# Altium PCB RP2040_GSM.PcbDoc (part 3 of 4) (continued)
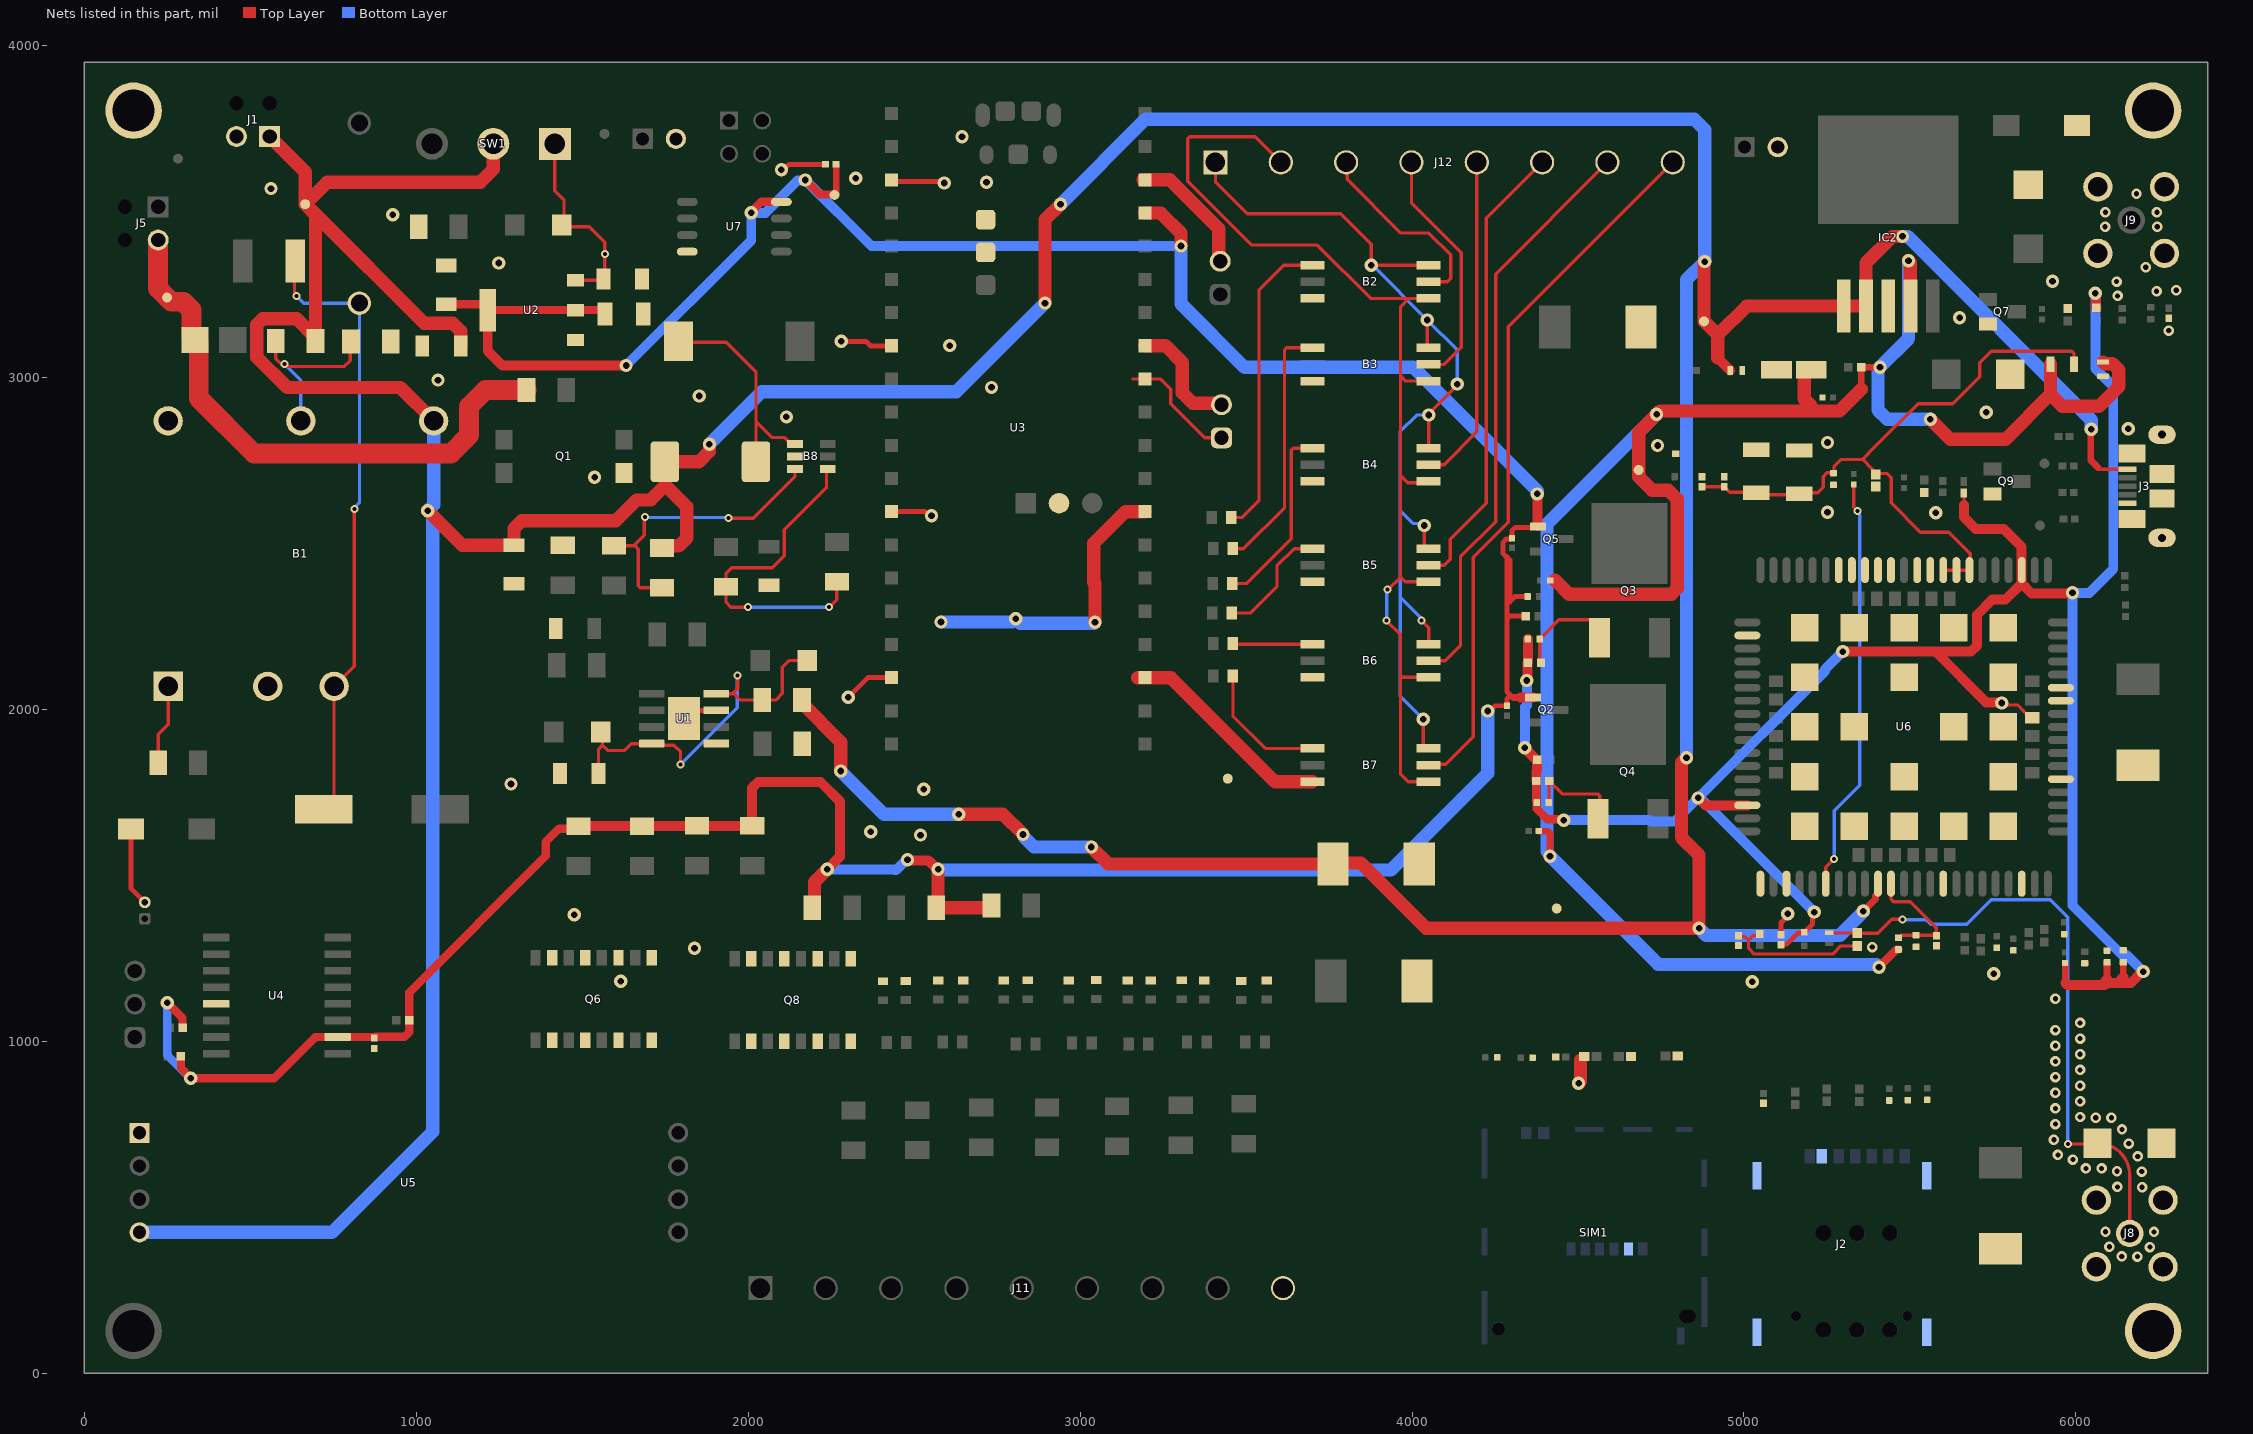
[diagram p5: the nets of this part, all layers, seen from the top]
## Part data (continued)
  R30 R31 R35: 0=DNM
R6: library part CMP-1011-00427-2, MANUFACTURER=Panasonic, Part Number=ERJ-2RKF1910X
R7: library part CMP-2002-03161-1, MANUFACTURER="TE Connectivity / AMP", Part Number=CPF0402B187RE1
R8 R9 R11 R13 R17 R18: library part CMP-009-00030-5, "Chip Resistor, 4.7 KOhm, +/- 1%, 0.1 W, -55 to 155 degC, 0402 (1005 Metric)", Case/Package=0402, Max Operating Temperature=155°C, Min Operating Temperature=-55°C, Power=100mW, Tolerance=1%, VOLTAGE RATING=50V, Mounting Technology=SM, Pins=2, RoHS Compliant=True
R10: library part CMP-009-00009-5, "Chip Resistor, 1 KOhm, +/- 1%, 0.1 W, -55 to 155 degC, 0402 (1005 Metric)", Case/Package=0402, Max Operating Temperature=155°C, Min Operating Temperature=-55°C, Power=100mW, Tolerance=1%, VOLTAGE RATING=50V, Mounting Technology=SM, Pins=2, RoHS Compliant=True
R12 R14 R15 R16: library part CMP-2002-07353-1, MANUFACTURER="Yageo / Phycomp", Part Number=RC0402FR-0710KL
R19 R20 R25 R26: library part CMP-009-00168-3, "Chip Resistor, 100 kOhms, +/-1 %, 63 mW, -55 to 155 degC, 0402", Case/Package=0402, Max Operating Temperature=155°C, Min Operating Temperature=-55°C, Power=63mW, Tolerance=1%, Pins=2
R21 R22 R23 R50 R53 R65: library part CMP-009-00004-5, "Chip Resistor, 0 Ohm, 0.063 W, -55 to 155 degC, 0402 (1005 Metric)", Case/Package=0402, Max Operating Temperature=155°C, Min Operating Temperature=-55°C, Power=63mW, VOLTAGE RATING=50V, Mounting Technology=SM, Pins=2, RoHS Compliant=True
R24: library part CMP-009-00015-5, "Chip Resistor, 10 KOhm, +/- 1%, 0.1 W, -55 to 155 degC, 0402 (1005 Metric)", Case/Package=0402, Max Operating Temperature=155°C, Min Operating Temperature=-55°C, Power=100mW, Tolerance=1%, VOLTAGE RATING=50V, Mounting Technology=SM, Pins=2, RoHS Compliant=True
R36 R39 R40 R41 R42 R45: library part CMP-1659-00018-2, "General Purpose Chip Resistors, 220 Ohm, +/- 1%, -55 to 155 degC, 0603 (1608 Metric), RoHS, Tape and Reel", ComponentLink1Description="Manufacturer URL", ComponentLink1URL=http://www.yageo.com/, ComponentLink2Description=Datasheet, ComponentLink2URL=https://datasheet.ciiva.com/11808/0900766b80f96399-11808136.pdf, DatasheetVersion="Rev. 4, 04/2009", PackageDescription="2-Pin Surface Mount Device, Body 1.6 x 0.8 mm", PackageReference=0603, RoHSCompliant=false
R58 R59 R60 R61 R62 R63 R64: library part CMP-009-00014-5, "Chip Resistor, 1 KOhm, +/-1%, 0.1 W, -55 to 155 degC, 0603 (1608 Metric)", Case/Package=0603, Max Operating Temperature=155°C, Min Operating Temperature=-55°C, Power=100mW, Tolerance=1%, VOLTAGE RATING=50V, Mounting Technology=SM, Pins=2, RoHS Compliant=True
R66 R67 R68 R69 R76: library part CMP-1011-00001-2, MANUFACTURER="Yageo / Phycomp", Part Number=RC0402JR-070RL
R70 R74 R77 R78: library part CMP-1011-00510-4, "Chip Resistor, 1 KOhm, +/- 1%, 100 mW, -55 to 155 degC, 0402 (1005 Metric), RoHS, Tape and Reel", Case Code (Imperial)=0402, Case Code (Metric)=1005, MANUFACTURER="Basic Passives", Max Operating Temperature="155 degC", Min Operating Temperature="-55 degC", Package Quantity=10000, PartNumber=ERJ-2RKF1001X, Power Rating="100 mW", Resistance="1 KOhm", Tolerance=1%, VOLTAGE RATING="50 V", Case\/Package=0402, ComponentLink1Description="Manufacturer URL", ComponentLink1URL=http://www.panasonic.com/, ComponentLink2Description=Datasheet, ComponentLink2URL=http://industrial.panasonic.com/cdbs/www-data/pdf/RDA0000/AOA0000C86.pdf, DatasheetVersion=04/2015, Height="0.35 mm", Length="1 mm", MOUNT="Surface Mount", Mounting Technology="Surface Mount", PackageDescription="2-Pin Surface Mount Device, Body 1 x 0.5 mm", PackageReference=0402, Packaging="Tape and Reel", Pins=2, Radiation Hardening=No, REACH SVHC=Yes, RoHSCompliant=true, Width="0.5 mm"
R71: library part CMP-02407-005152-1, "RES Thick Film, 50kΩ, 1%, 0.063W, 100ppm/°C, 0402", Case Code (Imperial)=0402, Case Code (Metric)=1005, Max Operating Temperature=155°C, Min Operating Temperature=-55°C, Package Quantity=10000, Power Rating=63mW, Resistance=50kR, Tolerance=1%, VOLTAGE RATING=50V, Case/Package=0402, Height=0.35mm, Lead Free="Lead Free", Length=1mm, Packaging="Tape and Reel", Termination=SMD/SMT, Weight=2.3E-05oz, Width=0.5mm
R72 R81: library part CMP-2002-01154-4, "Chip Resistor, 4.7 KOhm, +/- 1%, 0.1 W, -55 to 155 degC, 0402 (1005 Metric), RoHS, Tape and Reel", Case Code (Imperial)=0402, Case Code (Metric)=1005, Max Operating Temperature="155 degC", Min Operating Temperature="-55 degC", Package Quantity=1, PartNumber=ERJ-2RKF4701X, Power Rating="100 mW", Resistance="4.7 KOhm", Tolerance=1%, VOLTAGE RATING="50 V", Case\/Package=0402, ComponentLink1Description="Manufacturer URL", ComponentLink1URL=http://www.panasonic.com/, ComponentLink2Description=Datasheet, ComponentLink2URL=http://industrial.panasonic.com/cdbs/www-data/pdf/RDA0000/AOA0000C86.pdf, DatasheetVersion=04/2015, Height="0.35 mm", Length="1 mm", MOUNT="Surface Mount", Mounting Technology="Surface Mount", PackageDescription="2-Pin Surface Mount Device, Body 1 x 0.5 mm", PackageReference=0402, Packaging="Cut Tape", Pins=2, Radiation Hardening=No, REACH SVHC=Yes, RoHSCompliant=true, Width="0.5 mm"
R73 R82: library part CMP-2002-07701-1, MANUFACTURER="Yageo / Phycomp", Part Number=RC0402FR-0747KL
R75: library part CMP-2002-00622-4, "RES SMD 10 OHM 1% 1/10W 0402", MANUFACTURER=Panasonic, PACKAGE=ERJ2RK, Power Rating=0.1W, Resistance=10Ω, TEMPERATURE="-55°C to +155°C", Temperature Coefficient=100ppm/°C, Temperature Range High=+155°C, Temperature Range Low=-55°C, Tolerance=1%, VOLTAGE RATING=50V, Automotive=Yes, Automotive Grade="Grade 0", Category=Res, ComponentLink2Description=Datasheet, ComponentLink2URL=https://industrial.panasonic.com/cdbs/www-data/pdf/RDA0000/AOA0000C304.pdf, Composition="Thick Film", Device Class L1="Passive Components", Device Class L2=Resistors, Device Class L3="Chip SMD Resistors", Digikey Description="RES SMD 10 OHM 1% 1/10W 0402", Footprint Url=https://industrial.panasonic.com/cdbs/www-data/pdf/RDA0000/DMA0000COL17.pdf, Height=0.4mm, Lead Free=Yes, Manufacturer Part Number=ERJ-2RKF10R0X, Mouser Description="Thick Film Resistors - SMD 0402 10.0ohms 1% Tol AEC-Q200", Octopart=https://octopart.com/erj-2rkf10r0x-panasonic-55404982, RoHS=TRUE, Series=ERJ
R79: library part CMP-2000-07588-1, "Chip Resistor, 10 KOhm, +/- 1%, 0.1 W, -55 to 155 degC, 0402 (1005 Metric), RoHS, Tape and Reel", Case Code (Imperial)=0402, Case Code (Metric)=1005, MANUFACTURER=Panasonic, Max Operating Temperature=155degC, Max Power Dissipation=100mW, Min Operating Temperature=-55degC, Package Description="2-Pin Surface Mount Device, Body 1 x 0.5 mm", Package Quantity=1, Package Reference=402, Resistance=10KOhm, Temperature Coefficient=100ppm\/degreesC, Tolerance=1%, VOLTAGE RATING=50V, Case\/Package=0402, Composition=ThickFilm, Contact Plating=Tin, Datasheet URL=https://industrial.panasonic.com/cdbs/www-data/pdf/RDA0000/AOA0000C304.pdf, Datasheet Version=02/2017, Depth=0.5mm, Height=0.35mm, Lead Free=LeadFree, Length=1mm, Manufacturer URL=http://www.panasonic.com/, Military Standard=Not, MOUNT=SurfaceMount, Mounting Technology=SurfaceMount, Number of Pins=2, Number of Terminations=2, Packaging=TapeandReel, Power Rating=100mW, Radiation Hardening=No, REACH SVHC=NoSVHC, RoHSCompliant=True, Termination=SMD/SMT, Voltage Rating (DC)=50V, Width=0.02inch
R80: library part CMP-2002-07567-1, MANUFACTURER="Yageo / Phycomp", Part Number=RC0402FR-072K2L
R83: library part CMP-1011-00207-2, "RES Thick Film, 2.2Ω, 1%, 0.063W, 100ppm/°C, 0402", Case Code (Imperial)=0402, Case Code (Metric)=1005, Max Operating Temperature=155°C, Max Power Dissipation=63mW, Min Operating Temperature=-55°C, Package Quantity=10, Temperature Coefficient=100ppm/°C, Tolerance=1%, VOLTAGE RATING=50V, Case/Package=0402, Composition="Thick Film", Contact Plating=Tin, Depth=0.5mm, Features="Automotive AEC-Q200", Height=0.35mm, Lead Free="Lead Free", Length=1mm, Military Standard=Not, Number of Pins=2, Number of Terminations=2, Packaging="Tape and Reel", Power Rating=63mW, Radiation Hardening=No, Resistance=2.2R, Termination=SMD/SMT, Voltage Rating (DC)=50V, Weight=2.3E-05oz, Width=0.5mm
SIM1: "6 Position Card Connector Micro SIM Surface Mount, Right Angle Gold", PACKAGE=None, Availability=Warning, Check_prices=https://www.snapeda.com/parts/5050200692/Molex/view-part/470352/?ref=eda, MF=Molex, MP=5050200692, Price=None, Purchase-URL=https://pricing.snapeda.com/search/part/5050200692/?ref=eda, SnapEDA_Link=https://www.snapeda.com/parts/5050200692/Molex/view-part/470352/?ref=snap
SW1: library part CMP-31746-000002-1, "SWITCH SLIDE SPDT 3A 125V", Contact Current Rating=3A, Flammability Rating="UL94 V-0", Max Operating Temperature=85°C, Max Voltage Rating (AC)=250V, Min Operating Temperature=-30°C, Package Quantity=1, Voltage Rating (AC)=125V, Actuator Length=5.1mm, Actuator Material=Nylon, Actuator Type=Standard, Contact Material=Copper, Contact Plating=Silver, Contact Style=Non-Shorting, Current Rating=3A, Depth=7.5mm, Electrical Life=20000Cycles, Illumination Type=Non-Illuminated, Lead Free="Lead Free", Length=14mm, Max Current Rating=3A, Mechanical Life=50000Cycles, MOUNT="Through Hole", Orientation=Vertical, Packaging=Tray, Primary Type=SWITCH, Reach SVHC Compliant=Yes, RoHS Compliant=Yes, Series=CS, Switch Function=On-On, Switch Travel=2.2mm, Termination="PC Pin", Throw Configuration=SPDT
TP1 TP2 TP3 TP4 TP5 TP6 TP7 TP8 TP9 TP10 TP11: library part TP, "TEST POINT PC MINI .040\"D RED", PACKAGE=Assembly, TEMPERATURE="-55°C ~ 155°C", ASSEMBLY_TYPE=TH, MACRO="Power Management (VYS, 5V, 3.3V and Reset)", MFG=Keystone, MFG_PN=5000
U1: "Complete single cell Li-Ion battery with a constant current / constant voltage linear charger", PACKAGE=Package, Availability="Not in stock", Check_prices=https://www.snapeda.com/parts/TP4056/NanJing+Top+Power+ASIC+Corp./view-part/?ref=eda, MF="NanJing Top Power ASIC Corp.", MP=TP4056, Price=None, SnapEDA_Link=https://www.snapeda.com/parts/TP4056/NanJing+Top+Power+ASIC+Corp./view-part/?ref=snap
U2: "1A LOW DROPOUT VOLTAGE REGULATOR, SOT-223", Manufacturer_Name="Advanced Monolithic Systems", Datasheet Link=http://www.advanced-monolithic.com/pdf/ds1117.pdf, Geometry.Height=1.8mm, Manufacturer_Part_Number=ams1117-3.3v
U3: "Raspberry Pi Board, Arm Cortex-M0+; Silicon Manufacturer:Raspberry Pi; No. Of Bits:32Bit; Silicon Family Name:-; Core Architecture:Arm; Core Sub-Architecture:Cortex-M0+; Silicon Core Number:Rp2040; Product Range:Raspberry Pi Pico Rohs Compliant: Yes", PACKAGE=None, Check_prices=https://www.snapeda.com/parts/RASPBERRY%20PI%20PICO%20W/Raspberry+Pi/view-part/?ref=eda, MF="Raspberry Pi", MP="RASPBERRY PI PICO W", SnapEDA_Link=https://www.snapeda.com/parts/RASPBERRY%20PI%20PICO%20W/Raspberry+Pi/view-part/?ref=snap
U4: "Real Time Clock _RTC_ IC Clock/Calendar IÂ²C, 2-Wire Serial 8-SOIC _0.154, 3.90mm Width_", PACKAGE="SOIC-8 Maxim Integrated", Availability=Unavailable, MF="Maxim Integrated", MP=DS3231M, Price=None, SnapEDA_Link=https://www.snapeda.com/parts/DS3231M/Maxim%20Integrated/view-part/2748210/?ref=snap
U5: library part MAX485_MODULE_5V_LOGIC_TLL_TO_RS-485_CONVERTER, "5V MAX485 TTL To RS485 Converter Module Board for Arduino", PACKAGE=Package, Availability="Not in stock", Check_prices=https://www.snapeda.com/parts/MAX485%20Module%205V%20logic%20TLL%20to%20RS-485%20converter/e-Gizmo+Mechatronix+Central/view-part/?ref=eda, MF="e-Gizmo Mechatronix Central", MP="MAX485 Module 5V logic TLL to RS-485 converter", Price=None, SnapEDA_Link=https://www.snapeda.com/parts/MAX485%20Module%205V%20logic%20TLL%20to%20RS-485%20converter/e-Gizmo+Mechatronix+Central/view-part/?ref=snap
U6: "LTE Cat 1 Module On Module 10Mbps 700MHz/800MHz/900MHz/1700MHz/1800MHz/1900MHz/2100MHz 33dBm 3.4V to 4.2V -109dBm", PACKAGE=Package, Check_prices=https://www.snapeda.com/parts/A7672S/SIMCom/view-part/?ref=eda, MF=SIMCom, MP=A7672S, SnapEDA_Link=https://www.snapeda.com/parts/A7672S/SIMCom/view-part/?ref=snap
U7: "FLASH - NOR Memory IC 32Mb (4M x 8) SPI - Quad I/O 133 MHz 8-SOIC", PACKAGE="SOIC-8 Winbond", Check_prices=https://www.snapeda.com/parts/W25Q32JVSSIQ/Winbond+Electronics/view-part/?ref=eda, MF=Winbond, MP=W25Q32JVSSIQ, SnapEDA_Link=https://www.snapeda.com/parts/W25Q32JVSSIQ/Winbond+Electronics/view-part/?ref=snap
X1 X2: "Switch Tactile N.O. SPST Rectangular Button J-Bend 0.05A 12VDC 1N SMD T/R", Manufacturer_Name=Panasonic, Mouser Part Number=667-EVQ-PE104K, Datasheet Link=https://industrial.panasonic.com/cdbs/www-data/pdf/ATK0000/ATK0000C376.pdf, Geometry.Height=4.6mm, Manufacturer_Part_Number=EVQ-PE104K, Mouser Price/Stock=https://www.mouser.co.uk/ProductDetail/Panasonic/EVQ-PE104K?qs=wX5mvoJE4NGLiYsCBZAptQ%3D%3D

## Free pads (board coordinates)
  round 170 hole 126: 7(147.99,127.99) 7(148,3805) 7(6232.99,128) 7(6233,3805)

## Via types
v1: diameter 40, hole 20, Top Layer to Bottom Layer, 92 vias
v2: diameter 24, hole 12, Top Layer to Bottom Layer, 81 vias
v3: diameter 31.5, hole 15.75, Top Layer to Bottom Layer, 47 vias
v4: diameter 50, hole 28, Top Layer to Bottom Layer, 2 vias

## Nets (pads, with @x,y where several pads share a name; then routed paths per layer and width w, separated by ;. In a path a pad name is that pad's centre, name@x,y a point inside that pad or via, vN(x,y) a via of type N, cw(c..) or ccw(c..) an arc to the next point about the centre after c; other vN are vias at no path point)
1V8: C11.1 C13.2 C15.2 C33.2 C34.2 D14.2 R11.2 R17.1 R18.1 R71.2 R75.2 R83.1 U6.15 U6.97 U6.116 | length 6857.9
  Top Layer w10: 5663,2616 D14.2@5663,2652.28 ; v1(5777,2020) 5782.74,2014.26 5824.45,2014.26 5842.32,1996.39 5850.43,1988.28 5855.9,1988.28 U6.116@5868.61,1975.56
  Top Layer w15: C15.2@5112,1292.04 5113.4,1293.44 5129.48,1293.44 5139.74,1303.69 5163.38,1327.33 5180.64,1327.33 5207.22,1353.9 5207.22,1385.22 v1(5212,1390)
  Top Layer w20: R83.1@5968,1236.17 5968.35,1235.82 5968.35,1176.13 ; 6094.33,1187.83 C33.2@6094.33,1238.73 ; 6143.33,1194.3 C34.2@6143.33,1239.01
  Top Layer w25: R18.1@4374.31,1785 4374.31,1721.97 C13.2@4376.28,1720 4376.28,1700.85 4407.26,1669.87 4454.13,1669.87 v1(4457,1667)
  Top Layer w30: v1(4340,1885) 4340,1883.57 4374.57,1849 R17.1@4377.31,1849 4377.31,1818.5 4374.31,1815.5 R18.1@4374.31,1785 ; v1(4346,2088) 4347.91,2089.91 R11.2@4347.91,2140.6 ; R11.2@4349.31,2142 C11.1@4349.28,2213 ; v1(4862,1734) 4862.35,1734 4884.57,1711.78 U6.15@5010.35,1711.78 ; v1(5298,2175) 5577,2175 ; 5663,2616 5663,2580 5698,2545 5782.19,2545 5837.12,2490.07 U6.97@5837.12,2420.44 5837.12,2379.88 ; v1(5777,2020) 5775.09,2021.91 5730.09,2021.91 5577,2175 ; 5968.35,1176.13 5974.75,1169.73 6087.33,1169.73 6094.33,1176.73 ; v1(5990,2352) 5988.09,2350.09 5866.91,2350.09 5837.12,2379.88 ; v1(6059,3255) 6060.91,3253.09 6060.91,3212.09 R71.2@6062,3211 ; 6094.33,1187.83 6083.22,1176.73 6094.33,1176.73 ; 6143.33,1194.3 6125.76,1176.73 ; v1(6203.17,1210.73) 6200.47,1210.73 6166.47,1176.73 6125.76,1176.73 ; 5577,2175 5684.43,2175 5702,2192.57 5702,2285.25 5748.19,2331.44 5788.44,2331.44 5837,2380 5837.12,2379.88 ; 6094.33,1176.73 6125.76,1176.73
  Bottom Layer w30: v1(4340,1885) 4341,1886 4341,2008 4346,2013 v1(4346,2088) ; v1(4457,1667) 4715.35,1667 4719.35,1663 4791,1663 v1(4862,1734) ; v1(5212,1390) 4869.91,1732.09 4863.91,1732.09 v1(4862,1734) ; v1(5298,2175) 5243.93,2120.93 5243.93,2115.93 v1(4862,1734) ; v1(6059,3255) 6059,3028.28 6113,2974.28 6113,2424 6041,2352 v1(5990,2352) 5990,1410.21 6139.76,1260.45 6153.45,1260.45 v1(6203.17,1210.73)
3V3: C1.1 C2.1 C10.1 C12.2 C36.1 Q2.1 Q5.1 R8.1 R9.1 R10.2 R13.2 R14.1 R16.1 R27.1 R28.1 R37.2 R38.2 R43.1 R44.1 R54.2 TP7.1 U2.2 U2.4 U3.37 U4.2 U7.8 | length 12081.3
  Top Layer w15: v1(4228,1996) 4234.76,1996 4250.53,2011.76 R14.1@4286,2011.76 4286,2032.57 4296.72,2043.29 ; R16.1@4299.64,2514.58 4284.89,2514.58 4274.64,2504.33 4274.64,2470.14 4284.89,2459.89 4286.1,2459.89 ; R16.1@4301,2516.76 4301,2539.53 4309.79,2548.32 4376.19,2548.32 Q5.1@4379.27,2551.4 Q5.1@4381.15,2553.28 ; 4304.6,2036.4 4303.61,2036.4 4296.72,2043.29 ; R13.2@4342.63,2282 4294.79,2282 4286.1,2273.31 ; C12.2@4348.28,2341 4311,2341 4294.89,2324.89 4294.89,2451.11 4286.1,2459.89 ; 4286.1,2273.31 4286.1,2053.92 4296.72,2043.29 ; 4286.1,2273.31 4286.1,2459.89
  Top Layer w19.68: TP7.1@2264.5,3556.85 C36.1@2264.5,3643.24
  Top Layer w20: 4304.6,2036.4 4327.6,2036.4
  Top Layer w25: v1(249,1117) 295.39,1070.61 295.39,1042.3 R9.1@295.68,1042 ; R8.1@290.68,956 290.68,919.79 320,890.47 v1(320,889) 571,889 695.41,1013.41 U4.2@763.27,1013.41 C10.1@873,1013.41 ; C10.1@876.25,1014 964.36,1014 979,1028.64 R10.2@979,1064 978.7,1064.3 978.7,1147.7 1389.81,1558.81 1389.81,1600.81 1430.51,1641.51 1481.47,1641.51 R27.1@1489,1649.04 ; C1.1@1090,3221.93 1202.02,3221.93 U2.4@1202.02,3218 ; U2.4@1215.11,3204 U2.2@1478.89,3204 1558.38,3204 1568.13,3194.26 C2.1@1568.13,3192 ; v1(2009,3497) 2009,3500 2039,3530 U7.8@2099.73,3530 ; v1(2172,3596) 2216.04,3551.96 TP7.1@2259.04,3551.96
  Top Layer w30: U2.4@1215.11,3204 1215.11,3080.89 1259,3037 v1(1632,3037) ; R27.1@1489,1649.04 R28.1@1679.67,1649.04 1680.17,1649.54 1845.5,1649.54 R37.2@1846,1650.04 R38.2@2012,1650.04 2012,1764.43 2029.57,1782 2218,1782 2276,1724 2276,1556.57 2238.43,1519 v1(2238,1519) ; v1(2480,1548) 2481.91,1546.09 2542.21,1546.09 2569.29,1519 v1(2572,1519) ; 4327.6,2036.4 Q2.1@4364.27,2036.4 ; v1(4377,2650) 4378.13,2648.87 4378.13,2554.59 4379.44,2553.28 Q5.1@4381.15,2553.28
  Top Layer w40: R43.1@2192.96,1403 2199.54,1409.57 2199.54,1480.54 v1(2238,1519) ; v1(2572,1519) 2572,1419.42 2566.04,1413.46 R44.1@2566.04,1403 2726.39,1403 2732.96,1409.57 R54.2@2732.96,1410 ; U3.37@3194.97,3496.41 3243.59,3496.41 3304,3436 v1(3304,3397)
  Bottom Layer w25: v1(249,1117) 249,960 v1(320,889)
  Bottom Layer w30: v1(1632,3037) 2009,3414 v1(2009,3497) 2051.57,3497 2148.66,3594.09 2170.09,3594.09 v1(2172,3596) 2371,3397 v1(3304,3397) ; v1(2238,1519) 2448.29,1519 ; 2441.18,1516.18 2445.47,1516.18 2448.29,1519 ; v1(2480,1548) 2477.29,1548 2448.29,1519
  Bottom Layer w40: v1(2572,1519) 2574,1517 3936.78,1517 4228,1808.22 v1(4228,1996) ; v1(3304,3397) 3304,3223 3495,3032 4004,3032 4377,2659 v1(4377,2650)
4V: C6.1 D5.1 FB1.1 IC2.4 R6.1 R12.1 R15.1 R19.2 TP8.1 | length 6394.3
  Top Layer w19: R12.1@4381.76,1634 4409.88,1634 4416,1627.88
  Top Layer w20: v1(4416,1558) 4416,1627.88 ; 5353.69,2965.32 R6.1@5353.69,3032 ; R6.1@5356.48,3029.2 5356.48,3032 v1(5410,3032)
  Top Layer w25: v1(5407,1224) 5460.28,1277.28 R19.2@5466,1277.28
  Top Layer w40: 4431,2390 4473.05,2347.95 4781.6,2347.95 4799.17,2365.53 4799.17,2634.47 4772.47,2661.17 4723.46,2661.17 4683,2701.63 TP8.1@4683,2722 4683,2836 v1(4737,2890) 4747,2900 5288.37,2900 5353.69,2965.32 ; 5202.57,2915.69 5182,2936.26 5182,3017.43 5188.57,3024 C6.1@5202.57,3024 ; v1(5496,3353) 5501.52,3347.48 5501.52,3216.49 IC2.4@5502.01,3216 ; v1(5562,2875) 5622,2815 5788.57,2815 5923.57,2950 ; FB1.1@5923.57,3041 5923.57,2950 ; D5.1@6082,3047.65 6087.43,3042.22 6110.99,3042.22 6129.72,3023.49 6129.72,2973.43 6070.29,2914 5959.57,2914 5923.57,2950
  Bottom Layer w20: v1@4407,1572.41 4416,1563.41 v1(4416,1558)
  Bottom Layer w40: v1@4407,1572.41 4407,2560 v1(4737,2890) ; v1(4416,1558) 4741.83,1232.17 5398.83,1232.17 v1(5407,1224) ; v1(5496,3353) 5496,3118 v1(5410,3032) 5404.17,3026.17 5404.17,2902.83 5432,2875 v1(5562,2875)
5V: B1.4 C7.1 C9.1 C30.1 D7.C D8.2 IC2.1 IC2.2 J1.1 J3.1 R1.2 R30.2 R47.2 SW1.2 TP2.1 TP6.1 U5.4 U6.24 | length 19304.9
  Top Layer w10: 6067.17,2729.18 6072.08,2724.27 J3.1@6155.28,2724.27
  Top Layer w20: v1(5360,1393) 5396.49,1429.49 5396.49,1439.46 5404.05,1447.02 U6.24@5404.05,1475.56 ; v1(6047,2845) 6045.54,2843.54 6045.54,2750.81 6067.17,2729.18
  Top Layer w30: 4921,3059.79 C7.1@4958.79,3022
  Top Layer w40: J1.1@558,3727 665,3620 TP2.1@665,3523 ; R30.2@696.04,3111 R30.2@696.04,3120.84 ; v1(1034,2599) 1137.93,2495.07 C30.1@1294,2495.07 1294,2545.57 1317.43,2569 1601,2569 1664,2632 1706,2632 1750,2676 ; B1.4@1052,2870 951.27,2970.73 610.82,2970.73 519.39,3062.16 519.39,3159.84 536.96,3177.42 639.46,3177.42 R30.2@696.04,3120.84 ; C9.1@1134.07,3096 1133.4,3096.67 1133.4,3140.63 1109.97,3164.06 1023.94,3164.06 696.04,3491.96 ; SW1.2@1232,3705 1232,3628 1193,3589 731,3589 TP2.1@665,3523 ; R47.2@1740,2487.04 1746.57,2493.61 1791.57,2493.61 1815,2517.05 1815,2611 1750,2676 ; v1(1883,2800) 1883,2778.18 1851.82,2747 D7.C@1748.91,2747 1750,2745.91 1750,2676 ; R1.2@2162.04,2029 2162.04,2019.16 2279,1902.2 v1(2279,1815) ; v1(2634,1685) 2767,1685 v1(2828,1624) ; v1(2894,3225) 2894,3476 v1(2941,3523) ; v1(3034,1586) 3085,1535 D8.2@3762.08,1535 3765.19,1538.11 3845.89,1538.11 4043,1341 v1(4865,1341) 4865,1561.5 4812,1614.5 4812,1840 v1(4827,1855) ; v1(4882,3350) 4880,3348 TP6.1@4880,3170 4921,3129 ; 4921,3059.79 4921,3129 ; v1(5478,3426) 5448,3426 5367.99,3345.99 IC2.2@5367.99,3216 IC2.1@5300.98,3216 5008,3216 4921,3129 ; TP2.1@665,3523 696.04,3491.96 ; R30.2@696.04,3120.84 696.04,3491.96
  Bottom Layer w40: U5.4@165.98,425 746,425 1049,728 1049,2584 v1(1034,2599) 1052,2617 B1.4@1052,2870 ; v1(1883,2800) 2041,2958 2627,2958 v1(2894,3225) ; v1(2279,1815) 2409,1685 v1(2634,1685) ; v1@2831.14,1616.14 2861.29,1586 v1(3034,1586) ; v1(2941,3523) 3196.66,3778.66 4850.34,3778.66 4882,3747 v1(4882,3350) 4827,3295 v1(4827,1855) ; v1(4865,1341) 4886.47,1319.53 5288.52,1319.53 5360,1391.01 v1(5360,1393) ; v1(5478,3426) 5493.71,3426 6047,2872.71 v1(6047,2845)
24v_4: D3.2 J5.2 R57.2 TP1.1 | length 1736.2
  Top Layer w60: J5.2@222,3415 222,3269 TP1.1@249,3242 262,3229 297.77,3229 323.06,3203.71 323.06,3123.37 332.43,3114 D3.2@332.91,3114 334.88,3114 344.25,3104.63 344.25,2938.18 510.44,2772 1104,2772 1159,2827 1159,2913.46 1208.54,2963 R57.2@1331.96,2963
ADC_1_5: P3.1 U3.32 | length 367
  Top Layer w10: 3158.28,2996.41 U3.32@3194.97,2996.41 3241.59,2996.41 3272.96,2965.04 3272.96,2921.04 3375,2819 P3.1@3426,2819
Comm_7: DS2.1 DS3.1 DS4.1 DS5.1 DS6.1 DS7.1 DS8.1 DS10.2 DS11.2 DS12.2 DS13.2 DS14.2 DS15.2 DS16.2 J11.9 Q6.2 Q6.4 Q6.6 Q6.8 Q8.2 Q8.4 Q8.6 Q8.8
GND: B1.2 B1.6 B2.3 B3.3 B4.3 B5.3 B6.3 B7.3 B8.2 C1.2 C2.2 C3.2 C4.2 C5.2 C6.2 C7.2 C9.2 C10.2 C14.2 C15.1 C17.2 C18.2 C19.1 C20.2 C21.1 C22.2 C23.2 C24.1 C25.1 C26.1 C27.2 C28.2 C29.2 C30.2 C31.1 C32.1 C33.1 C34.1 C35.1 C36.2 CN1.2 CN2.2 D5.2 D6.1 D8.1 D9.1 D10.1 D11.1 D12.1 D13.1 D15.1 D16.1 D17.1 D18.1 D19.1 D20.1 D21.1 D22.1 D23.1 IC2.3 J1.2 J2.C5 J2.S1 J2.S2 J2.S3 J2.S4 J3.5 J3.SH1 J3.SH2 J3.SH3 J3.SH4 J3.SH5 J3.SH6 J8.S1 J8.S2 J8.S3 J8.S4 J9.S1 J9.S2 J9.S3 J9.S4 P2.2 P3.2 P4.2 pad.7@148,3805 pad.7@6232.99,128 pad.7@6233,3805 Q1.3 Q6.9 Q6.11 Q6.13 Q6.15 Q7.2 Q8.9 Q8.11 Q8.13 Q8.15 Q9.2 R2.2 R5.1 R7.1 R20.1 R35.1 R55.1 R73.2 R82.1 SIM1.C5 TP4.1 TP11.1 U1.1 U1.3 U1.9 U2.1 U3.3 U3.8 U3.13 U3.18 U3.23 U3.28 U3.33 U3.38 U3.F U4.13 U5.1 U6.2 U6.29 U6.39 U6.45 U6.46 U6.58 U6.59 U6.61 U6.62 U6.63 U6.64 U6.65 U6.69 U6.70 U6.71 U6.72 U6.73 U6.74 U6.75 U6.76 U6.77 U6.78 U6.79 U6.80 U6.81 U6.82 U6.83 U6.84 U6.85 U6.86 U6.87 U6.88 U6.89 U6.91 U6.92 U7.4 X1.B1 X2.B1 | length 3557
  Top Layer w15: X2.B1@140.7,1640 140.7,1460.53 P4.2@181.75,1419.49 ; U1.9@1806.44,1973 1831.44,1998 U1.3@1903.88,1998 ; v1(2100,3627) 2106.76,3627 2123,3643.24 C36.2@2233,3643.24 ; v1(2280,3110) 2354.97,3110 2368.56,3096.41 U3.8@2431.98,3096.41 ; v1(2301,2037) 2360.41,2096.41 U3.18@2431.98,2096.41 ; U3.13@2431.98,2596.41 2532.83,2596.41 2545.24,2584 v1(2552,2584) ; U3.3@2431.98,3596.41 2436.68,3591.7 2586.3,3591.7 v1(2591,3587) ; C15.1@5112,1321.96 5112,1358.24 5132,1378.24 v1(5132,1385)
  Top Layer w20: C26.1@4507.98,943.98 4507.98,945.33 4517.82,955.17 C26.1@4519.18,955.17
  Top Layer w40: v1(3044.75,2263.75) 3044.75,2380.5 3041,2384.25 3041,2501 3136.41,2596.41 U3.28@3194.97,2596.41 ; 3173.59,2096.41 U3.23@3194.97,2096.41 3273.59,2096.41 3587,1783 B7.3@3699.8,1783 ; U3.38@3189.6,3596.41 U3.38@3194.97,3596.41 3270.59,3596.41 3417.6,3449.4 3417.6,3355.4 P2.2@3422,3351 ; U3.33@3194.97,3096.41 3257.59,3096.41 3307.96,3046.04 3307.96,2955.04 3339.6,2923.4 3421.6,2923.4 P3.2@3426,2919 ; v1(4501.96,874.13) 4507.98,880.16 C26.1@4507.98,943.98
  Bottom Layer w40: v1(2581,2264.26) 2796.26,2264.26 v1(2806,2274) 2820,2260 3041,2260 v1(3044.75,2263.75)
  other v1: 5025,1180 1616,1182 5753,1204 1838,1281 1476,1382 2519,1622 2369,1632 2529,1760 1285,1776 5578.49,2593.05 5252,2595 1537,2700 4740,2796 5252,2805 6158,2846 2115,2882 5730,2896 1852,2945 2733,2971 1065,2993 2607,3097 5650,3181 5930,3291 1248,3346 929,3491 562,3570 2718,3589 2324,3601 2644,3726
  other v3: 6138.63,352.41 6185.87,352.11 6101.32,381.39 6223.43,380.78 6235.71,426.4 6089.6,427.16 6199.79,561.03 6125.43,561.82 6198.86,608.27 6124.24,609.05 6030.55,617.74 6077.8,617.74 5991.48,644.31 6186.66,653.91 5946.41,658.46 6159.39,692.49 5934.26,704.11 6139.37,735.28 5938.82,751.14 6060.37,770.26 6107.61,770.26 6013.18,772.59 5938.82,798.38 6013.18,819.83 5938.82,845.63 6013.18,867.08 5938.82,892.87 6013.18,914.32 5938.82,940.11 6013.18,961.57 5938.82,987.36 6013.18,1008.81 5938.82,1034.6 6013.18,1056.05 5938.82,1129.09 5386.94,1284.64 6279.94,3142.3 6125.86,3246.48 6243.37,3260.75 6303,3264 6122.94,3289.68 6211.06,3332.89 6088.38,3455.2 6245.59,3455.1 6089.37,3498.5 6244.66,3498.39 6182.97,3554.64
GP_26_5: U3.TP4
GP_27_5: U3.TP5
MK_IN_6: R79.1 U6.20 | length 1237
  Top Layer w10: U6.20@5246.57,1475.56 5246.57,1524.57 v2(5272,1550) ; 5331,2609.79 R79.1@5331,2678
  Bottom Layer w10: v2(5272,1550) 5272,1695 5349,1772 5349,2588.21 5342,2595.21 v2(5342,2599)
NetB1_1: B1.1 R31.2 | length 242.4
  Top Layer w10: R31.2@221.96,1840 221.96,1925.26 252,1955.3 B1.1@252,2070
NetB1_3: B1.3 C8.2 D4.1 PTC_F1.2 | length 1876.3
  Top Layer w10: PTC_F1.2@634.48,3352 633,3350.52 633,3255.79 639,3249.79 v2(639,3246) ; C8.2@721.61,1700 752,1730.39 B1.3@752,2070 813,2131 v2(813,2604)
  Bottom Layer w10: v2(639,3246) 660.16,3224.84 827.84,3224.84 827.92,3224.92 D4.1@828,3224.84 828.5,3224.34 828.5,2623.29 813,2607.79 v2(813,2604)
NetB1_5: B1.5 R30.1 R35.2 | length 551.6
  Top Layer w10: R30.1@575.96,3111 575.96,3058.04 600,3034 v2@602.9,3034 ; v2(602.9,3041) v2@602.9,3034 ; R35.2@802.96,3109 801,3107.04 801,3052 783,3034 v2@602.9,3034
  Bottom Layer w10: v2(602.9,3041) 652,2991.9 B1.5@652,2870
NetB2_1: B2.1 R36.2 | length 931.3
  Top Layer w10: R36.2@3455.53,2579 3489,2579 3538.83,2628.83 3538.83,3264.29 3613.54,3339 B2.1@3699.8,3339
NetB2_4: B2.4 B3.4 B4.4 B5.4 B6.4 B7.4 J12.2 | length 3251.5
  Top Layer w10: J12.2@3604.6,3649 3527.6,3726 3329.86,3726 3324,3720.14 3324,3592.5 3516.5,3400 3714,3400 3875,3239 3989.86,3239 ; v2(3923,2268) 3965.5,2225.5 3965.5,2103.86 ; v2@3928.46,2362.46 3965.5,2399.5 ; B7.4@4050.2,1783 3988,1783 3965.5,1805.5 3965.5,2103.86 ; B6.4@4050.2,2097 4049.2,2098 3971.36,2098 3965.5,2103.86 ; B5.4@4050.2,2385 3980,2385 3965.5,2399.5 ; B4.4@4050.2,2688 4046.2,2684 3987,2684 3965.5,2705.5 ; B3.4@4050.2,2990 3981,2990 3965.5,3005.5 ; B2.4@4050.2,3239 3989.86,3239 ; 3965.5,2399.5 3965.5,2705.5 ; 3965.5,2705.5 3965.5,3005.5 ; 3965.5,3005.5 3965.5,3214.64 3989.86,3239
  Bottom Layer w10: v2(3923,2268) 3924.33,2269.33 3924.33,2361.14 v2(3925.65,2362.46)
NetB2_5: B2.5 J12.3 | length 600.5
  Top Layer w10: J12.3@3801.45,3649 3805.04,3645.41 3805.04,3597.58 3966.68,3435.94 4051.06,3435.94 4117,3370 4117,3300 4106,3289 B2.5@4050.2,3289
NetB2_6: B2.6 B3.6 B4.6 B5.6 B6.6 B7.6 J12.1 | length 3073
  Top Layer w10: J12.1@3407.75,3649 3407.75,3590.25 3504,3494 3785,3494 3877,3402 v1(3877,3339) B2.6@4050.2,3339 ; v2(4028,2269) 4050.2,2246.8 B6.6@4050.2,2197 ; v1(4034,1971) 4034,1890.8 4041.8,1883 B7.6@4050.2,1883 ; v1(4037,2555) 4037,2492.8 4044.8,2485 B5.6@4050.2,2485 ; v1(4046,3174) 4046,3094.2 B3.6@4050.2,3090 ; B4.6@4050.2,2788 v1(4050.2,2887.8) 4050.2,2894.5 4053.2,2894.5 4136,2977.3 v1(4136,2981)
  Bottom Layer w10: v1(3877,3339) 3881,3339 v1(4046,3174) 4136,3084 v1(4136,2981) ; v2(4028,2269) 4028,2275 3965,2338 ; v1(4034,1971) 3965,2040 3965,2338 ; v1(4037,2555) 4031.26,2560.74 4004.26,2560.74 3965,2600 ; v1(4050.2,2887.8) 4013.8,2887.8 3965,2839 3965,2600 ; 3965,2338 3965,2600
NetB3_1: B3.1 R39.2 | length 768.3
  Top Layer w10: R39.2@3460.53,2485 3492,2485 3615.83,2608.83 3615.83,3084.14 3621.69,3090 B3.1@3699.8,3090
NetB3_5: B3.5 J12.4 | length 738.6
  Top Layer w10: J12.4@3998.3,3649 3998.3,3526.7 4148,3377 4148,3091.54 4096.46,3040 B3.5@4050.2,3040
NetB4_1: B4.1 R40.2 | length 566.9
  Top Layer w10: R40.2@3458.53,2380 3501,2380 3635.83,2514.83 3635.83,2782.14 3641.69,2788 B4.1@3699.8,2788
NetB4_5: B4.5 J12.5 | length 998.1
  Top Layer w10: B4.5@4050.2,2738 4096.46,2738 4195.15,2836.69 J12.5@4195.15,3649
NetB5_1: B5.1 R41.2 | length 360
  Top Layer w10: R41.2@3456.53,2291 3513,2291 3593,2371 3593,2433.13 3644.87,2485 B5.1@3699.8,2485
NetB5_5: B5.5 J12.6 | length 1382.9
  Top Layer w10: B5.5@4050.2,2435 4096.75,2435 4115,2453.25 4115,2513 4224,2622 4224,3481 J12.6@4392,3649
NetB6_1: B6.1 R42.2 | length 240.1
  Top Layer w10: R42.2@3460.53,2199 3462.53,2197 B6.1@3699.8,2197
NetB6_5: B6.5 J12.7 | length 1754.3
  Top Layer w10: B6.5@4050.2,2147 4100,2147 4146,2193 4146,2460 4252.14,2566.14 4252.14,3312.29 J12.7@4588.85,3649
NetB7_1: B7.1 R45.2 | length 400
  Top Layer w10: R45.2@3460.53,2101 3460.53,1980.86 3558.38,1883 B7.1@3699.8,1883
NetB7_5: B7.5 J12.8 | length 2172.9
  Top Layer w10: B7.5@4073.82,1833 B7.5@4050.2,1833 4052.81,1835.61 4101.61,1835.61 4184.59,1918.59 4184.59,2459.59 4290,2565 4290,3153.3 J12.8@4785.7,3649
NetB8_1: B8.1 D7.A L2.1 | length 688.1
  Top Layer w10: L2.1@1789.93,3110 1792.93,3107 1934,3107 2023.32,3017.68 2023.32,2868.88 ; D7.A@2023.32,2747 2023.32,2868.88 ; B8.1@2140.79,2800.4 2128.98,2800.4 2109.38,2820 2072.19,2820 2023.32,2868.88
NetB8_3: B8.3 R47.1 R52.2 | length 887.5
  Top Layer w10: R52.2@1596,2494.04 1655.04,2494.04 1686.32,2525.32 1686.32,2578.32 v2(1689,2581) ; 1658.96,2494.04 1669,2484 1669,2372.82 1674.86,2366.96 R47.1@1740,2366.96 ; v2(1940,2577) 2015.46,2577 2140.79,2702.33 B8.3@2140.79,2725.6
  Bottom Layer w10: v2(1689,2581) 1691,2579 1938,2579 v2(1940,2577)
NetB8_4: B8.4 R51.1 R56.2 | length 1003.2
  Top Layer w10: v2(1999,2309) 1947.26,2309 1933,2323.26 R51.1@1933,2369.96 1933,2410.31 1950.55,2427.86 2072.17,2427.86 2108.5,2464.19 2108.5,2542.5 2236,2670 2236,2722.39 B8.4@2239.21,2725.6 ; v2(2244,2309) 2244.74,2309 2267,2331.26 R56.2@2267,2384.92
  Bottom Layer w10: v2(1999,2309) v2(2244,2309)
NetC4_1: C4.1 D2.2 SW1.1 U2.3 | length 610.1
  Top Layer w10: SW1.1@1417.04,3705 1417.04,3562.96 1445,3535 1445,3467.13 D2.2@1437.87,3460 1442.87,3455 1521,3455 1568,3408 v2(1568,3373) 1568,3301.14 C4.1@1563.86,3297 1561.02,3294.16 U2.3@1478.89,3294.16
NetC5_1: C5.1 D1.2 DS1.2 R1.1 U1.4 U1.8 | length 1204
  Top Layer w10: C5.1@1549.07,1808 1549.07,1880.79 1560.64,1892.36 ; DS1.2@1555.87,1933 1560.64,1928.23 1560.64,1892.36 ; v2(1796,1835) 1796,1873 1776,1893 1712,1893 1708,1897 1648,1897 1628,1877 1576,1877 1560.64,1892.36 ; U1.4@1903.88,2048 1957.66,2048 1976.66,2029 R1.1@2041.96,2029 2082.31,2029 2102.5,2049.19 2102.5,2127.82 2122.68,2148 D1.2@2177.87,2148 ; 1955.08,2050.58 1968.02,2063.52 1968.02,2101.98 v2(1967,2103)
  Bottom Layer w10: v2(1796,1835) 1967,2006 v2(1967,2103)
NetC11_2: C11.2 Q3.1 R11.1 | length 315.7
  Top Layer w10: R11.1@4388.69,2142 4384.7,2145.98 4384.7,2213.97 4389.56,2218.83 4390.54,2218.83 4442.31,2270.59 4538.35,2270.59 4564.84,2244.09 Q3.1@4564.84,2216.54
NetC13_1: C13.1 Q4.1 R18.2 | length 307.5
  Top Layer w10: C13.1@4411.72,1720 4412.7,1720.98 4412.7,1784.02 R18.2@4413.69,1785 4452.69,1746 4560.14,1746 4566,1740.14 4566,1676.69 Q4.1@4560.84,1671.54
NetC14_1: C14.1 R19.1 R20.2 U6.25 | length 360.9
  Top Layer w10: U6.25@5443.42,1475.56 5443.42,1428.58 5450.81,1421.19 5501.81,1421.19 5580,1343 C14.1@5580,1318.96 5578.53,1320.43 R20.2@5519,1320.43 5474.7,1320.43 5466.98,1312.72 R19.1@5466,1312.72
NetC16_1: C16.1 C32.2 R76.2 | length 446.1
  Top Layer w10: C32.2@4984,1319.09 4987.28,1315.81 5003.19,1315.81 5014,1305 ; R76.2@5048,1323.91 5043.62,1319.53 5028.53,1319.53 5014,1305 ; C16.1@5341,1287.88 5291.34,1287.88 5267.09,1263.63 5030.96,1263.63 5014,1280.59 5014,1305
NetC16_2: C16.2 D13.2 J8.1 L1.1 | length 1897.9
  Top Layer w10: L1.1@5257,1327.91 5257.72,1327.19 5340.28,1327.19 C16.2@5341,1326.46 5404.04,1326.46 5446,1368.42 5476.58,1368.42 v2(5478,1367) ; v2(5976,691) 6062.09,691 ccw(c6062.09,694) D13.2@6065.09,694 cw(c6065.09,596.48) 6162.61,596.48 J8.1@6162.61,421.61
  Bottom Layer w10: v2(5478,1367) 5549.33,1367 5563.33,1353 5671.82,1353 5745.82,1427 5923.18,1427 5976,1374.18 v2(5976,691)
NetC18_1: C18.1 C19.2 C20.1 C21.2 C22.1 C23.1 FB1.2 U6.55 U6.56 U6.57 | length 2019.8
  Top Layer w10: C20.1@4874,2672.04 C21.2@4941,2672 C21.2@4941,2672 ; C21.2@4941,2671.21 4946.24,2665.98 4947.02,2665.98 4957.54,2655.46 5034.57,2655.46 C23.1@5037,2653.04 5042.96,2647.08 5163.04,2647.08 C22.1@5167,2651.04 5169.46,2653.5 5222.35,2653.5 5239,2670.14 5239,2702.39 5250.03,2713.42 5269.3,2713.42 C19.2@5270,2712.72 5271.27,2713.98 5271.27,2731.7 5293.57,2754 5357.5,2754 ; U6.57@5600.9,2420.44 U6.56@5640.27,2420.44 U6.55@5679.64,2420.44 ; U6.55@5682.24,2420.62 5682.24,2460.24 5682.42,2460.42 5682.42,2469.58 5617,2535 5532,2535 5444.14,2622.86 5444.14,2698.47 5431.02,2711.59 5399.93,2711.59 C18.1@5397,2708.66 5387.98,2717.67 5387.98,2723.52 5357.5,2754 ; FB1.2@5994.43,3041 5994.43,3073.76 5988.58,3079.62 5745.62,3079.62 5711.07,3045.07 5711.07,3003.3 5629.76,2922 5525.5,2922 5395,2791.5 5357.5,2754